# Altium PCB 400236.PcbDoc (part 5 of 5) (continued)
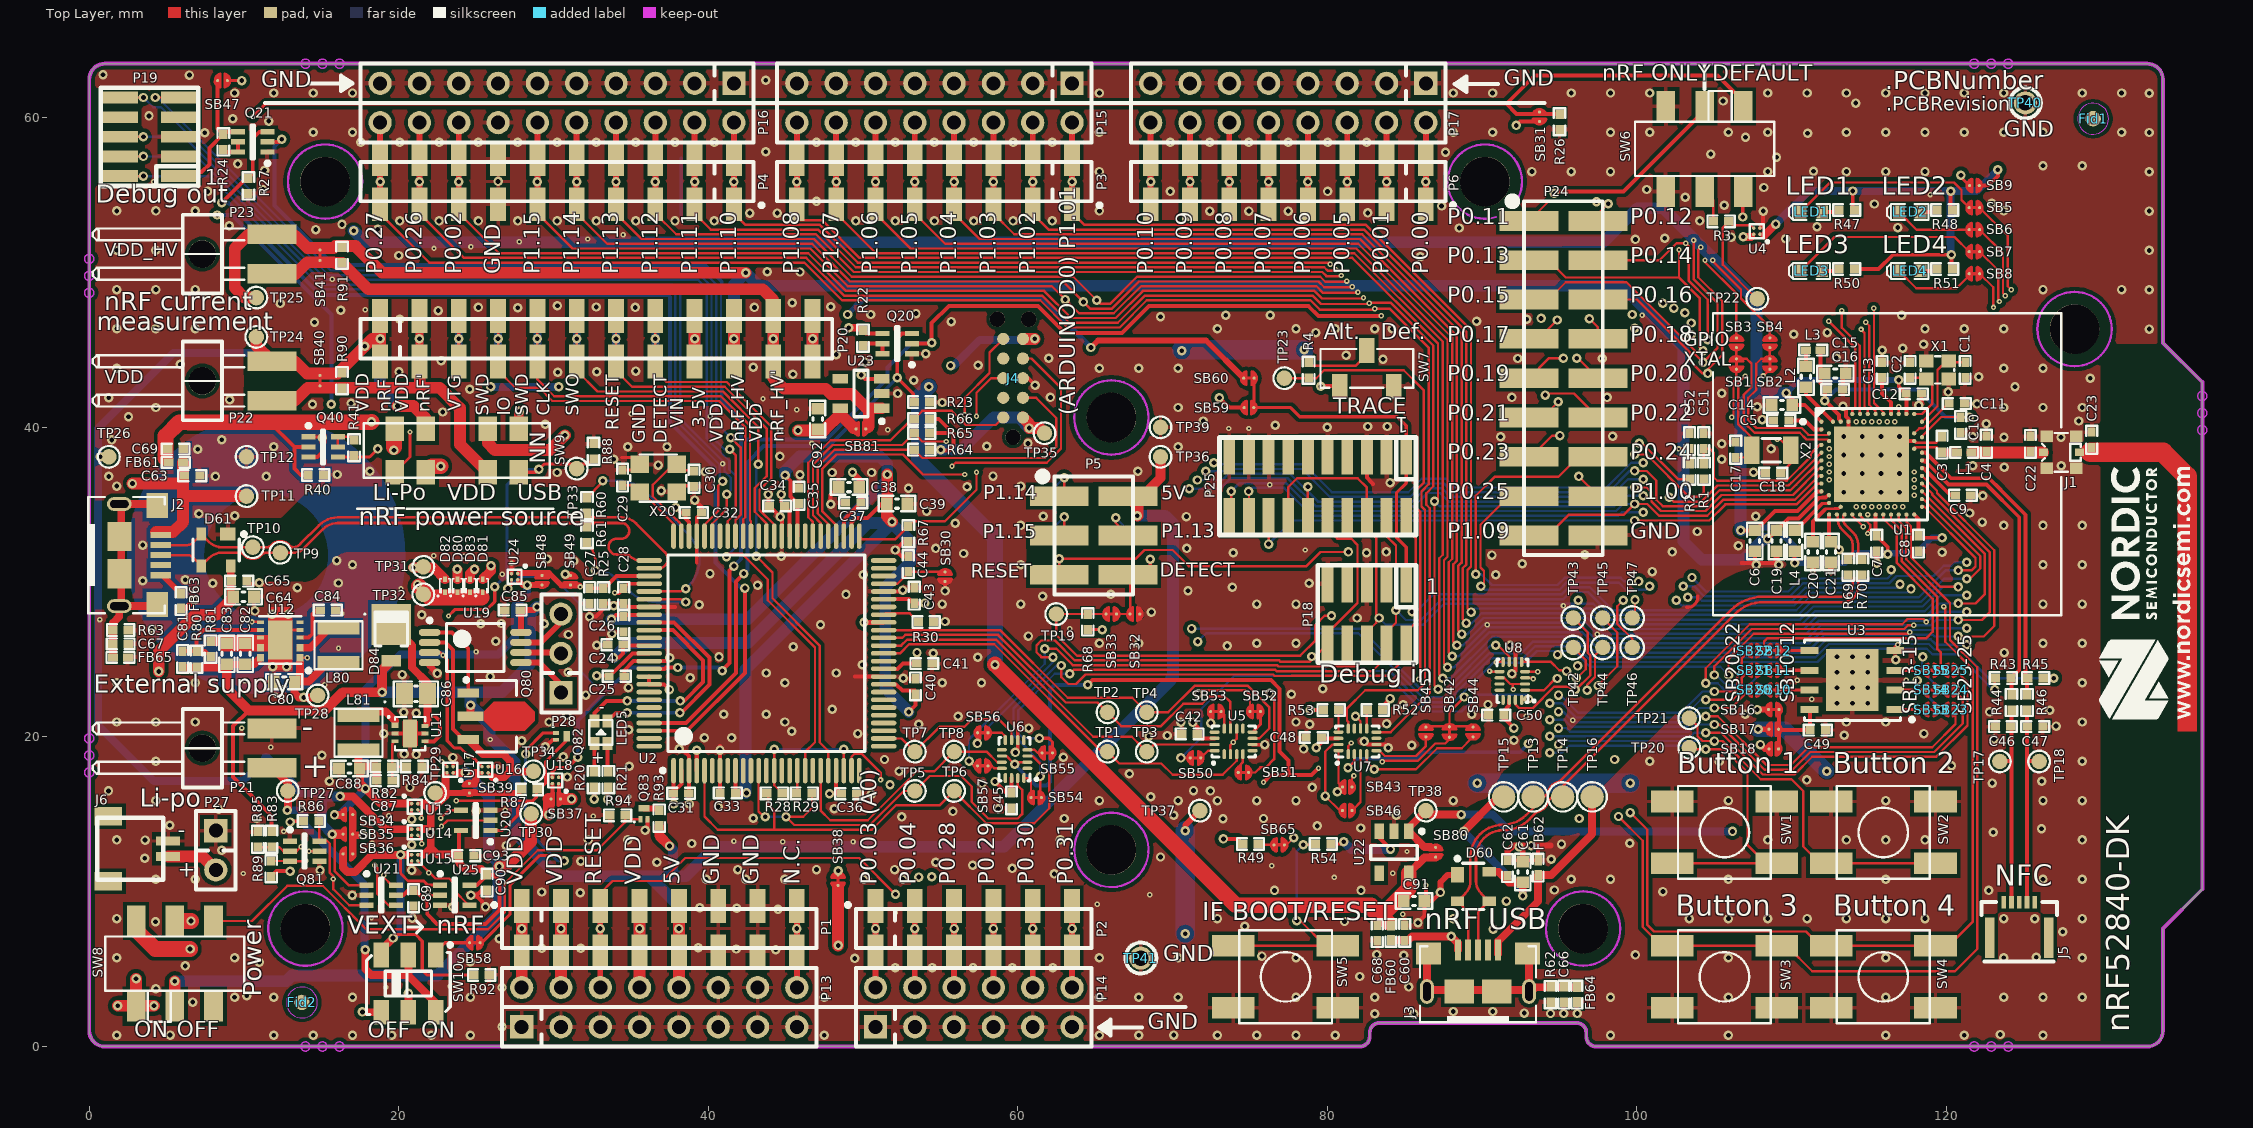
[diagram p0: Top Layer view]
## Nets (pads, with @x,y where several pads share a name; then routed paths per layer and width w, separated by ;. In a path a pad name is that pad's centre, name@x,y a point inside that pad or via, vN(x,y) a via of type N, cw(c..) or ccw(c..) an arc to the next point about the centre after c; other vN are vias at no path point) (continued)
  Mid-Layer 2 w0.254: v1(12.979,11.328) v1(12.979,14.503) 13.868,14.503 14.072,14.3 16.51,14.3 17.16,13.65 v1(17.704,13.65)
  Mid-Layer 2 w0.508: v1(17.704,13.65) 17.897,13.843 v1(22.047,13.843)
VSUPPLY_EN: Q82.3 R87.2 U17.B2 U20.1 | length 16.8
  Top Layer w0.152: v2(22.784,18.415) U17.B2@23.117,18.082 ; v2(23.724,15.875) 27.983,15.875 28.059,15.799
  Top Layer w0.203: U20.1@25.918,13.955 26.706,13.955 27.661,14.91 27.661,15.4 28.059,15.799 28.11,15.85 28.626,15.85 28.905,16.129 28.905,16.62 29.066,16.62 29.489,17.043 29.489,18.415 30.855,19.781 Q82.3@30.855,20.041
  Mid-Layer 1 w0.152: v2(22.784,18.415) 22.784,18.161 23.444,17.501 23.444,16.154 v2(23.724,15.875)
XC1: C1.1 U1.B24 X1.1 | length 5.8
  Top Layer w0.152: U1.B24@118.414,40.367 119.414,41.367 119.414,43.717 119.909,44.213 C1.1@121.203,44.213
XC2: C2.1 U1.A23 X1.3 | length 4.3
  Top Layer w0.152: C2.1@117.647,43.213 118.625,43.213 X1.3@118.7,43.138 119.089,42.749 119.089,41.538 118.418,40.867 U1.A23@117.914,40.867
XIN: C29.1 U2.75 X20.3 | length 5.1
  Top Layer w0.152: C29.1@34.458,36.254 35.162,36.254 X20.3@35.575,35.841 ; X20.3@35.575,35.838 35.694,35.838 37.754,33.778 U2.75@37.754,32.975
XOUT: C30.1 U2.74 X20.1 | length 7.5
  Top Layer w0.152: U2.74@38.254,32.975 38.254,33.729 38.1,33.884 37.955,34.029 37.934,34.029 36.414,35.549 36.414,36.287 37.746,37.619 X20.1@37.963,37.619 38.354,37.228 C30.1@39.081,37.228
pads on no net: Bat1.0 Fid1.0 Fid2.0 J2.4 J2.6@1.944,28.45 J2.6@1.944,35.05 J3.4 J3.6@86.429,3.557 J3.6@93.029,3.557 J4.0 J4.7 J4.9 J5.0 J5.1 J5.3 J5.5 J6.0 P18.7 P18.8 P19.7 P19.8 P21.0 P22.0 P23.0 P25.7 P25.8 P25.11 P25.13 SW8.1 U2.6 U2.8 U2.10 U2.11 U2.13 U2.15 U2.16 U2.19 U2.25 U2.26 U2.28 U2.29 U2.30 U2.31 U2.32 U2.33 U2.37 U2.44 U2.48 U2.49 U2.50 U2.58 U2.64 U2.69 U2.86 U2.93 U2.94 U2.95 U2.96 U2.99 U2.100 U5.1 U5.5 U5.9 U5.13 U6.1 U6.5 U6.9 U6.13 U7.7 U7.11 U8.11 U8.12 U8.13 U12.5 U22.4 U23.4
copper on no net: | length 3.6
  Bottom Layer w0.254: 38.252,53.76 38.252,57.379

## Polygon pours and split planes (outlines as drawn)
VDD on Mid-Layer 2 "Mid_Layer_2-VDD" (solid, remove dead copper, pour order 10): -3.81,-3.81 -3.81,68.58 138.43,68.58 138.43,-3.81
VDD_SAM on Mid-Layer 2 "Mid_Layer_2-VDD_SAM" (solid, pour order 8): 35.837,33.12 35.837,17.379 51.555,17.379 51.555,33.12
GND on Bottom Layer "Bottom_Layer-GND" (solid, remove dead copper, pour order 6): -3.81,-3.81 -3.81,68.58 138.43,68.58 138.43,-3.81
GND on Mid-Layer 1 "Mid_Layer_1-GND" (solid, remove dead copper, pour order 7): -3.81,-3.81 -3.81,68.58 138.43,68.58 138.43,-3.81
GND on Top Layer "Top_Layer-GND" (solid, remove dead copper, pour order 12): -3.81,-3.81 -3.81,68.58 138.43,68.58 138.43,-3.81

## Keep-outs
Top Layer:
  lines w0.152: 16.336,8.023 ccw(c13.97,7.62) 16.339,8.006 ; 68.406,13.103 ccw(c66.04,12.7) 68.409,13.086 ; 90.89,53.591 cw(c90.17,55.88) 91.893,54.209
Mid-Layer 1:
  circle w0.152: c66.04,12.7 r2.4
  circle w0.152: c90.17,55.88 r2.4
  circle w0.152: c13.97,7.62 r2.4
Mid-Layer 2:
  circle w0.152: c90.17,55.88 r2.4
  circle w0.152: c13.97,7.62 r2.4
  lines w0.152: 65.381,10.392 cw(c66.04,12.7) 66.72,10.398
Bottom Layer:
  circle w0.152: c66.04,12.7 r2.4
  circle w0.152: c90.17,55.88 r2.4
  circle w0.152: c13.97,7.62 r2.4
Keep-Out Layer:
  circle w0.152: c128.27,46.355 r2.4
  circle w0.152: c15.24,55.88 r2.4
  circle w0.152: c66.04,40.64 r2.4
  circle w0.152: c96.52,7.62 r2.4
  circle w0.1: c13.967,0 r0.3
  circle w0.1: c15.067,0 r0.3
  circle w0.1: c16.167,0 r0.3
  circle w0.1: c123.987,0 r0.3
  circle w0.1: c122.887,0 r0.3
  circle w0.1: c121.787,0 r0.3
  circle w0.1: c136.526,42.025 r0.3
  circle w0.1: c136.526,40.926 r0.3
  circle w0.1: c136.526,39.826 r0.3
  circle w0.1: c121.787,63.5 r0.3
  circle w0.1: c122.887,63.5 r0.3
  circle w0.1: c123.987,63.5 r0.3
  circle w0.1: c13.967,63.5 r0.3
  circle w0.1: c15.067,63.5 r0.3
  circle w0.1: c16.167,63.5 r0.3
  circle w0.1: c0,48.692 r0.3
  circle w0.1: c0,49.792 r0.3
  circle w0.1: c0,50.891 r0.3
  circle w0.1: c0,17.705 r0.3
  circle w0.1: c0,18.804 r0.3
  circle w0.1: c0,19.904 r0.3
  lines w0.254: 0,1.016 ccw(c1.016,1.016) 1.016,0 82.099,0 ccw(c82.099,0.635) 82.734,0.635 82.734,0.889 cw(c83.369,0.889) 83.369,1.524 96.09,1.524 cw(c96.09,0.889) 96.725,0.889 96.725,0.635 ccw(c97.36,0.635) 97.36,0 132.969,0 ccw(c132.969,1.016) 133.985,1.016 133.985,7.62 136.525,10.16 136.525,42.926 133.985,45.466 133.985,62.484 ccw(c132.969,62.484) 132.969,63.5 1.016,63.5 ccw(c1.016,62.484) 0,62.484 0,1.016

## Other copper
Top Layer:
  rectangle net ANT: 134.92,20.343 136.19,21.105
  rectangle net GND: 8.484,25.527 12.167,26.594
  rectangle net GND: 11.557,24.308 13.132,28.397
  pour cut-out: 24.34,36.179 34.579,36.18 cw(c34.58,33.644) 36.375,35.436 38.509,33.302 cw(c36.718,31.508) 39.253,31.506 39.253,31.237 cw(c37.043,31.237) 37.043,29.027 34.834,29.027 cw(c34.833,30.64) 33.693,29.5 31.579,31.613 ccw(c30.81,30.846) 30.808,31.933 24.328,31.933 cw(c135.433,33.762)
  pour cut-out: 13.807,35.551 cw(c15.316,34.043) 15.316,36.176 25.908,36.176 25.908,31.939 16.574,31.92 ccw(c16.747,30.866) 15.922,31.544 14.783,30.405 13.807,30.405
  pour cut-out: 9.86,34.155 11.774,34.155 11.938,34.155 11.938,30.013 11.169,30.013 cw(c11.169,30.94) 10.513,30.284 ccw(c10.035,29.809) 10.034,30.482 5.422,30.482 5.422,34.158 7.355,34.158 7.411,34.148 7.465,34.13 7.51,34.104 7.553,34.069 7.584,34.023 7.602,33.98 7.607,33.934 7.607,32.685 9.354,32.685 9.354,33.65 cw(c9.86,33.65)
  pour cut-out: 11.677,34.155 12.282,34.155 ccw(c12.282,34.476) 12.509,34.249 13.819,35.56 14.795,35.56 14.795,30.414 cw(c13.804,31.435) 13.782,30.013 11.677,30.013
  pour cut-out: 90.658,5.004 90.658,7.315 96.62,7.315 96.62,5.004
  pour cut-out: 91.161,32.131 91.161,33.401 89.891,33.401 89.891,32.131
  pour cut-out: 107.164,32.217 107.164,33.617 110.834,33.617 110.834,32.217
  pour cut-out: 110.664,31.367 110.664,32.867 113.164,32.867 113.164,31.367
  pour cut-out: 115.414,36.867 115.414,38.367 117.914,38.367 117.914,36.867
  pour cut-out: 117.737,33.63 116.676,34.691 118.444,36.458 119.505,35.398
  pour cut-out: 60.528,30.937 68.073,30.937 68.071,32.715 60.528,32.715
  pour cut-out: 129.92,-1.27 136.786,-1.27 136.748,45.415 129.925,45.415
  pour cut-out: -0.229,28.204 2.824,28.204 2.818,35.281 -0.228,35.281
  pour cut-out: 28.981,25.603 28.981,26.873 27.711,26.873 27.711,25.603
  pour cut-out: 118.567,26.975 117.297,26.975 117.297,25.705 118.567,25.705
  pour cut-out: 11.252,51.765 9.982,51.765 9.982,50.495 11.252,50.495
  pour cut-out: 86.385,35.687 85.115,35.687 85.115,34.417 86.385,34.417
  pour cut-out: 60.757,53.086 48.387,53.086 48.387,51.816 60.757,51.816
  pour cut-out: 107.163,43.256 107.163,44.526 105.054,44.526 105.054,43.256
  pour cut-out: 22.149,1.168 22.149,2.438 20.879,2.438 20.879,1.168
  pour cut-out: 20.447,5.715 20.447,6.985 19.177,6.985 19.177,5.715
  pour cut-out: 20.218,1.143 20.218,3.264 18.948,3.264 18.948,1.143
  pour cut-out: 11.252,43.635 9.982,43.635 9.982,42.365 11.252,42.365
  pour cut-out: 118.496,37.293 121.239,37.293 121.239,39.142 120.439,39.142 120.439,40.188 118.496,40.188
Mid-Layer 1:
  pour cut-out: 110.28,18.44 107.467,18.44 107.467,25.333 110.28,25.333
  pour cut-out: 28.315,29.007 28.315,31.318 32.137,31.318 32.137,29.007
  pour cut-out: 92.078,58.763 92.078,61.074 95.377,61.074 95.377,58.763
  pour cut-out: 48.603,38.976 48.603,41.288 50.978,41.288 50.978,38.976
  pour cut-out: 85.782,11.379 85.782,13.691 88.157,13.691 88.157,11.379
  pour cut-out: 110.28,27.254 110.28,21.336 106.28,21.336 106.28,27.254
  pour cut-out: 129.92,-1.27 136.786,-1.27 136.748,45.415 129.925,45.415
  pour cut-out: 121.71,25.984 121.71,20.066 117.71,20.066 117.71,25.984
  pour cut-out: 104.44,46.723 110.357,46.723 110.357,42.723 104.44,42.723
  pour cut-out: 15.45,11.278 15.45,16.104 17.824,16.104 17.824,11.278
  pour cut-out: 23.4,15.494 23.4,17.805 25.774,17.805 25.774,15.494
  pour cut-out: 75.724,11.938 75.724,14.249 78.098,14.249 78.098,11.938
  pour cut-out: 56.725,19.202 56.725,21.514 59.099,21.514 59.099,19.202
  pour cut-out: 56.598,17.094 56.598,19.406 58.972,19.406 58.972,17.094
  pour cut-out: 60.618,17.843 60.618,20.155 62.992,20.155 62.992,17.843
  pour cut-out: 59.969,14.973 59.969,17.285 62.344,17.285 62.344,14.973
  pour cut-out: 64.878,26.695 64.878,29.007 68.656,29.007 68.656,26.695
  pour cut-out: 120.612,48.831 120.612,57.137 122.987,57.137 122.987,48.831
  pour cut-out: 7.449,61.138 7.449,63.449 9.823,63.449 9.823,61.138
  pour cut-out: 70.263,17.45 70.263,19.761 72.637,19.761 72.637,17.45
  pour cut-out: 71.438,20.587 71.438,22.898 73.812,22.898 73.812,20.587
  pour cut-out: 74.175,20.512 74.175,22.823 76.549,22.823 76.549,20.512
  pour cut-out: 73.369,16.612 73.369,18.923 75.744,18.923 75.744,16.612
  pour cut-out: 28.448,14.884 28.448,17.196 31.747,17.196 31.747,14.884
  pour cut-out: 54.212,29.184 54.212,31.495 56.586,31.495 56.586,29.184
  pour cut-out: 80.042,13.995 80.042,18.161 82.416,18.161 82.416,13.995
  pour cut-out: 84.979,19.177 84.979,21.488 90.941,21.488 90.941,19.177
  pour cut-out: 13.678,49.898 13.678,52.21 16.053,52.21 16.053,49.898
  pour cut-out: 13.704,41.87 13.704,44.181 16.078,44.181 16.078,41.87
  pour cut-out: 47.232,9.614 47.232,11.925 49.606,11.925 49.606,9.614
  pour cut-out: 23.654,5.486 23.654,7.798 26.028,7.798 26.028,5.486
  pour cut-out: 73.641,41.986 73.641,44.298 76.016,44.298 76.016,41.986
  pour cut-out: 73.667,40.03 73.667,42.342 76.041,42.342 76.041,40.03
  pour cut-out: 131.445,36.392 119.918,36.392 119.918,40.392 131.445,40.392
Mid-Layer 2:
  pour cut-out: 129.92,-1.27 136.786,-1.27 136.748,45.415 129.925,45.415
  pour cut-out: 131.445,36.392 119.918,36.392 119.918,40.392 131.445,40.392
Bottom Layer:
  pour cut-out: 129.92,-1.27 136.786,-1.27 136.748,45.415 129.925,45.415
  pour cut-out: 35.56,27.407 34.29,27.407 34.29,26.137 35.56,26.137

## Silkscreen, mask and mechanical layers (free items; w line width, h text height)
Top Overlay:
  drawing of 82 lines, arcs and shapes, not listed
  text "nRF ONLY" at 97.765,62.052 h1.78
  text "DEFAULT" at 104.877,62.052 h1.78
  text "GND" at 91.389,61.709 h1.78
  text "GND" at 11.125,61.62 h1.78
  text ".PCBNumber" at 116.028,61.468 h2.03
  text ".PCBRevision" at 116.093,60.165 h1.52
  text "GND" at 123.698,58.42 h1.78
  text "LED1" at 109.622,54.654 h2.03
  text "LED2" at 115.82,54.654 h2.03
  text "Debug out" at 0.406,54.127 h2.03
  text "P0.11" at 87.757,52.781 h1.78
  text "P0.12" at 99.568,52.781 h1.78
  text "LED3" at 109.495,50.869 h2.03
  text "LED4" at 115.845,50.869 h2.03
  text "VDD_HV" at 1.016,50.775 h1.4
  text "P0.13" at 87.757,50.241 h1.78
  text "P0.14" at 99.568,50.241 h1.78
  text "P0.27" at 19.304,49.886 h1.78 r90
  text "P0.26" at 21.844,49.886 h1.78 r90
  text "P0.02" at 24.384,49.886 h1.78 r90
  text "GND" at 26.924,49.886 h1.78 r90
  text "P1.15" at 29.464,49.886 h1.78 r90
  text "P1.14" at 32.004,49.886 h1.78 r90
  text "P1.13" at 34.544,49.886 h1.78 r90
  text "P1.12" at 37.084,49.886 h1.78 r90
  text "P1.11" at 39.624,49.886 h1.78 r90
  text "P1.10" at 42.164,49.886 h1.78 r90
  text "P1.08" at 46.228,49.886 h1.78 r90
  text "P1.07" at 48.768,49.886 h1.78 r90
  text "P1.06" at 51.308,49.886 h1.78 r90
  text "P1.05" at 53.848,49.886 h1.78 r90
  text "P1.04" at 56.388,49.886 h1.78 r90
  text "P1.03" at 58.928,49.886 h1.78 r90
  text "P1.02" at 61.468,49.886 h1.78 r90
  text "P0.10" at 69.088,49.886 h1.78 r90
  text "P0.09" at 71.628,49.886 h1.78 r90
  text "P0.08" at 74.168,49.886 h1.78 r90
  text "P0.07" at 76.708,49.886 h1.78 r90
  text "P0.06" at 79.248,49.886 h1.78 r90
  text "P0.05" at 81.788,49.886 h1.78 r90
  text "P0.01" at 84.328,49.886 h1.78 r90
  text "P0.00" at 86.868,49.886 h1.78 r90
  text "P0.15" at 87.757,47.701 h1.78
  text "P0.16" at 99.568,47.701 h1.78
  text "nRF current" at 0.965,47.193 h2.03
  text "measurement" at 0.483,45.898 h2.03
  text "Alt." at 79.756,45.339 h1.78
  text "Def." at 83.439,45.339 h1.78
  text "P0.17" at 87.757,45.161 h1.78
  text "P0.18" at 99.568,45.161 h1.78
  text "GPIO" at 102.997,44.958 h1.52
  text "XTAL" at 102.997,43.688 h1.52
  text "P0.19" at 87.757,42.621 h1.78
  text "P0.20" at 99.568,42.621 h1.78
  text "VDD" at 1.016,42.57 h1.4
  text "VTG" at 24.308,41.056 h1.4 r90
  text "VDD / nRF" at 19.761,40.98 h1.4 r90
  text "VDD / nRF'" at 22.301,40.98 h1.4 r90
  text "(ARDUINO D0) P1.01" at 64.059,40.777 h1.78 r90
  text "SWD / IO" at 27.508,40.752 h1.4 r90
  text "SWD / CLK" at 30.048,40.752 h1.4 r90
  text "SWO" at 31.928,40.74 h1.4 r90
  text "TRACE" at 80.391,40.513 h1.78
  text "P0.21" at 87.757,40.081 h1.78
  text "P0.22" at 99.568,40.081 h1.78
  text "VIN / 3-5V" at 40.081,39.993 h1.4 r90
  text "RESET" at 34.519,39.811 h1.4 r90
  text "VDD / nRF_HV" at 42.621,39.028 h1.4 r90
  text "VDD / nRF_HV'" at 45.161,39.028 h1.4 r90
  text "GND / DETECT" at 37.617,38.963 h1.4 r90
  text "P0.23" at 87.757,37.541 h1.78
  text "P0.24" at 99.568,37.541 h1.78
  text "P1.14" at 57.767,35.082 h1.52
  text "5V" at 69.248,35.031 h1.52
  text "P0.25" at 87.757,35.001 h1.78
  text "P1.00" at 99.568,35.001 h1.78
  text "Li-Po   VDD   USB" at 18.313,34.95 h1.78
  text "nRF power source" at 17.424,33.299 h2.03
  text "P1.13" at 69.248,32.567 h1.52
  text "P1.15" at 57.717,32.542 h1.52
  text "P1.09" at 87.757,32.461 h1.78
  text "GND" at 99.568,32.461 h1.78
  text "DETECT" at 69.16,30.074 h1.52
  text "RESET" at 56.955,30.002 h1.52
  text "Debug in" at 79.477,23.12 h2.03
  text "External supply" at 0.279,22.454 h2.03
  text "SB20-22" at 106.934,22.225 h1.52 r90
  text "SB10-12" at 110.465,22.225 h1.52 r90
  text "SB13-15" at 118.364,21.463 h1.52 r90
  text "SB23-25" at 121.92,21.463 h1.52 r90
  text "-" at 13.741,19.939 h1.52
  text "+" at 13.741,17.399 h1.52
  text "Button 1" at 102.594,17.19 h2.29
  text "Button 2" at 112.641,17.19 h2.29
  text "Li-po" at 3.251,15.088 h2.03
  text "-" at 5.715,13.513 h1.02
  text "+" at 5.715,10.973 h1.02
  text "N.C." at 46.253,10.465 h1.78 r90
  text "VDD" at 28.365,10.462 h1.78 r90
  text "VDD" at 30.905,10.462 h1.78 r90
  text "RESET" at 33.445,10.462 h1.78 r90
  text "VDD" at 35.985,10.462 h1.78 r90
  text "5V" at 38.525,10.462 h1.78 r90
  text "GND" at 41.065,10.462 h1.78 r90
  text "GND" at 43.605,10.462 h1.78 r90
  text "P0.03 (A0)" at 51.225,10.462 h1.78 r90
  text "P0.04" at 53.765,10.462 h1.78 r90
  text "P0.28" at 56.305,10.462 h1.78 r90
  text "P0.29" at 58.845,10.462 h1.78 r90
  text "P0.30" at 61.385,10.462 h1.78 r90
  text "P0.31" at 63.925,10.462 h1.78 r90
  text "NFC" at 123.123,9.926 h2.29
  text "Button 4" at 112.691,8.011 h2.29
  text "Button 3" at 102.518,8 h2.29
  text "IF BOOT/RESET" at 71.907,7.785 h2.03
  text "nRF USB" at 86.298,7.131 h2.29
  text "VEXT   nRF" at 16.662,6.909 h2.03
  text "GND" at 69.393,5.156 h1.78
  text "Power" at 11.506,3.2 h2.03 r90
  text "nRF52840-DK" at 132.283,0.914 h2.54 r90
  text "GND" at 68.402,0.761 h1.78
  text "ON" at 2.911,0.229 h1.78
  text "OFF" at 5.655,0.229 h1.78
  text "OFF" at 18.009,0.203 h1.78
  text "ON" at 21.438,0.203 h1.78
Bottom Overlay:
  drawing of 1284 lines, arcs and shapes, not listed
  text "J-Link" at 117.897,62.424 h1.45 r90
  text "www.segger.com" at 119.047,62.343 h1.68 r90
  text "Pb" at 6.415,60.623 h3.05 r90
  text "TM" at 117.475,58.954 h0.94 r90
  text "S" at 116.037,58.741 h1.35 r90
  text "E" at 116.037,57.851 h1.35 r90
  text "Technology" at 117.897,57.672 h1.45 r90
  text "G" at 116.037,57.067 h1.35 r90
  text "G" at 116.037,56.077 h1.35 r90
  text "E" at 116.037,55.053 h1.35 r90
  text "R" at 116.037,54.217 h1.35 r90
  text "P0.27" at 19.303,53.111 h1.65 r90
  text "P0.26" at 21.843,53.111 h1.65 r90
  text "P0.02" at 24.383,53.111 h1.65 r90
  text "GND" at 26.924,53.111 h1.65 r90
  text "P1.15" at 29.463,53.111 h1.65 r90
  text "P1.14" at 32.003,53.111 h1.65 r90
  text "P1.13" at 34.543,53.111 h1.65 r90
  text "P1.12" at 37.083,53.111 h1.65 r90
  text "P1.11" at 39.623,53.111 h1.65 r90
  text "P1.10" at 42.163,53.111 h1.65 r90
  text "P1.08" at 46.227,53.111 h1.65 r90
  text "P1.07 (D6)" at 48.768,53.111 h1.65 r90
  text "P1.06 (D5)" at 51.308,53.111 h1.65 r90
  text "P1.05 (D4)" at 53.848,53.111 h1.65 r90
  text "P1.04 (D3)" at 56.388,53.111 h1.65 r90
  text "P1.03 (D2)" at 58.928,53.111 h1.65 r90
  text "P1.02 (D1)" at 61.468,53.111 h1.65 r90
  text "P1.01 (ARDUINO D0)" at 64.008,53.111 h1.65 r90
  text "P0.10" at 69.088,53.111 h1.78 r90
  text "P0.09" at 71.628,53.111 h1.78 r90
  text "P0.08" at 74.168,53.111 h1.78 r90
  text "P0.07" at 76.708,53.111 h1.78 r90
  text "P0.06" at 79.248,53.111 h1.78 r90
  text "P0.05" at 81.788,53.111 h1.78 r90
  text "P0.01" at 84.328,53.111 h1.78 r90
  text "P0.00" at 86.843,53.111 h1.78 r90
  text "(SCL)" at 20.421,52.07 h1.65 r90
  text "(SDA)" at 22.961,52.07 h1.65 r90
  text "(AREF)" at 25.501,52.07 h1.65 r90
  text "(D13)" at 30.581,52.07 h1.65 r90
  text "(D12)" at 33.121,52.07 h1.65 r90
  text "(D11)" at 35.661,52.07 h1.65 r90
  text "(D10)" at 38.201,52.07 h1.65 r90
  text "(D9)" at 40.741,52.07 h1.65 r90
  text "(D8)" at 43.281,52.07 h1.65 r90
  text "(D7)" at 47.345,52.07 h1.65 r90
  text "GPIO" at 76.911,48.701 h1.99 r90
  text "P0.00" at 80.747,48.641 h1.91 r90
  text "P0.01" at 86.131,48.641 h1.91 r90
  text "P0.11" at 90.17,48.641 h1.91 r90
  text "P0.12" at 92.862,48.641 h1.91 r90
  text "P0.24" at 95.555,48.641 h1.91 r90
  text "P0.25" at 98.247,48.641 h1.91 r90
  text "P0.13" at 100.94,48.641 h1.91 r90
  text "P0.14" at 103.632,48.641 h1.91 r90
  text "P0.15" at 106.324,48.641 h1.91 r90
  text "P0.16" at 109.017,48.641 h1.91 r90
  text "P0.17" at 111.709,48.641 h1.91 r90
  text "P0.19" at 114.402,48.641 h1.91 r90
  text "P0.20" at 117.094,48.641 h1.91 r90
  text "P0.21" at 119.786,48.641 h1.91 r90
  text "P0.22" at 122.479,48.641 h1.91 r90
  text "P0.23" at 125.171,48.641 h1.91 r90
  text "Function" at 76.911,43.231 h1.99 r90
  text "Button 4" at 98.247,42.965 h1.91 r90
  text "Button 2" at 92.862,42.942 h1.91 r90
  text "Button 3" at 95.555,42.949 h1.91 r90
  text "Button 1" at 90.17,42.846 h1.91 r90
  text "LED 4" at 109.017,41.922 h1.91 r90
  text "LED 2" at 103.632,41.899 h1.91 r90
  text "LED 3" at 106.324,41.905 h1.91 r90
  text "GPIO" at 27.33,41.805 h1.99 r90
  text "P0.05" at 29.82,41.783 h1.91 r90
  text "P0.06" at 32.512,41.783 h1.91 r90
  text "P0.07" at 35.204,41.783 h1.91 r90
  text "P0.08" at 37.897,41.783 h1.91 r90
  text "P0.18" at 40.589,41.783 h1.91 r90
  text "P1.00" at 43.282,41.783 h1.91 r90
  text "P0.09" at 52.222,41.783 h1.91 r90
  text "P0.10" at 56.794,41.783 h1.91 r90
  text "LED 1" at 100.94,41.803 h1.91 r90
  text "DIO3" at 125.171,41.482 h1.91 r90
  text "DIO0" at 117.094,41.476 h1.91 r90
  text "DIO2" at 122.479,41.476 h1.91 r90
  text "DIO1" at 119.786,41.38 h1.91 r90
  text "CLK" at 114.402,41.301 h1.91 r90
  text "XL2" at 86.131,41.111 h1.91 r90
  text "XL1" at 80.747,41.015 h1.91 r90
  text "CS" at 111.709,40.693 h1.91 r90
  text "SWDCLK" at 48.666,39.218 h1.91 r90
  text "SWDIO" at 45.974,38.329 h1.91 r90
  text "Function" at 27.33,36.335 h1.99 r90
  text "RESET" at 40.564,35.457 h1.91 r90
  text "SB13/23" at 111.709,35.23 h1.91 r90
  text "SB11/21" at 114.402,35.23 h1.91 r90
  text "SB12/22" at 117.094,35.23 h1.91 r90
  text "SB14/24" at 119.786,35.23 h1.91 r90
  text "SB15/25" at 122.479,35.23 h1.91 r90
  text "SB10/20" at 125.171,35.23 h1.91 r90
  text "NFC2" at 56.82,34.816 h1.91 r90
  text "NFC1" at 52.248,34.72 h1.91 r90
  text "SB2" at 79.4,34.671 h1.91 r90
  text "SB4" at 82.093,34.671 h1.91 r90
  text "SB1" at 84.785,34.671 h1.91 r90
  text "SB3" at 87.478,34.671 h1.91 r90
  text "SB5" at 100.94,34.671 h1.91 r90
  text "SB6" at 103.632,34.671 h1.91 r90
  text "SB7" at 106.324,34.671 h1.91 r90
  text "SB8" at 109.017,34.671 h1.91 r90
  text "SWO" at 43.282,34.667 h1.91 r90
  text "RXD" at 37.897,34.39 h1.91 r90
  text "TXD" at 32.512,34.338 h1.91 r90
  text "CTS" at 35.204,34.318 h1.91 r90
  text "RTS" at 29.82,34.296 h1.91 r90
  text "Short" at 76.911,34.155 h1.99 r90
  text "HW" at 27.73,28.448 h1.99 r90
  text "IF / MCU" at 43.409,28.067 h1.78 r90
  text "GPIO" at 85.083,27.927 h1.78 r90
  text "GPIO" at 120.015,27.927 h1.78 r90
  text "GPIO" at 34.773,27.813 h1.78 r90
  text "GPIO" at 57.93,26.381 h1.78 r90
  text "HW" at 76.911,25.519 h1.99 r90
  text "N.C" at 54.864,25.273 h1.27 r90
  text "SB2x" at 115.443,25.057 h1.27 r90
  text "SB1x" at 117.729,25.057 h1.27 r90
  text "PIN" at 50.883,24.171 h1.78 r90
  text "MEM" at 120.015,23.253 h1.78 r90
  text "VDD" at 101.803,23.126 h1.78 r90
  text "PIN" at 80.574,22.364 h1.78 r90
  text "PIN" at 115.57,22.364 h1.78 r90
  text "0R" at 57.658,22.225 h1.27 r90
  text "IF OFF" at 38.735,21.209 h1.78 r90
  text "NFC" at 53.957,21.224 h1.78 r90
  text "Button 2" at 109.017,18.158 h1.91 r90
  text "Button 1" at 106.324,18.061 h1.91 r90
  text "Funct." at 103.835,17.355 h1.99 r90
  text "Function" at 116.916,17.284 h1.78 r90
  text "Default" at 124.714,17.183 h1.78 r90
  text "CTS" at 111.709,16.429 h1.91 r90
  text "P0.03 (A0)" at 51.181,16.012 h1.65 r90
  text "P0.04 (A1)" at 53.721,16.002 h1.65 r90
  text "P0.28 (A2)" at 56.261,16.002 h1.65 r90
  text "P0.29 (A3)" at 58.801,16.002 h1.65 r90
  text "P0.31 (A5)" at 63.881,16.019 h1.65 r90
  text "P0.30 (A4)" at 61.335,15.985 h1.65 r90
  text "RESET" at 33.522,14.272 h1.65 r90
  text "GND" at 43.605,13.103 h1.65 r90
  text "GND" at 41.142,12.95 h1.65 r90
  text "N.C." at 46.272,12.95 h1.78 r90
  text "VDD" at 28.448,12.87 h1.65 r90
  text "VDD" at 30.988,12.87 h1.65 r90
  text "VDD" at 36.068,12.87 h1.65 r90
  text "5V" at 38.633,11.828 h1.65 r90
  text "HW" at 114.249,11.676 h1.99 r90
  text "P0.11" at 106.324,10.579 h1.91 r90
  text "P0.12" at 109.017,10.579 h1.91 r90
  text "P0.07" at 111.709,10.579 h1.91 r90
  text "Def." at 103.835,9.957 h1.99 r90
  text "Alternative" at 124.46,9.055 h1.78 r90
  text "TRACE / SW" at 121.234,8.648 h1.78 r90
  text "P1.07" at 106.324,5.626 h1.91 r90
  text "P1.08" at 109.017,5.626 h1.91 r90
  text "P0.04" at 111.709,5.626 h1.91 r90
  text "Alt." at 103.835,4.691 h1.99 r90
Mechanical 1:
  the board outline again, w0.254
Mechanical 4:
  lines w0.165: 8.551,31.901 9.728,31.901 cw(c9.728,31.592) 9.947,31.811 10.031,31.727 ccw(c10.566,32.263) 10.566,31.505 ccw(c10.566,32.259) 11.1,31.726 11.184,31.81 cw(c11.405,31.589) 11.405,31.901 13.147,31.901 ccw(c13.147,32.944) 13.884,32.207 15.112,33.435 ; 8.552,32.259 11.506,32.259 ccw(c11.506,32.571) 11.727,32.35 11.811,32.434 cw(c12.344,31.901) 12.344,32.655 cw(c12.344,31.897) 12.88,32.433 12.964,32.349 ccw(c13.183,32.568) 13.183,32.259 ; 13.153,32.259 ccw(c13.153,32.935) 13.631,32.457 14.84,33.666 ; 14.837,33.669 cw(c16.073,32.433) 16.073,34.181 ; 15.102,33.425 cw(c16.063,32.464) 16.063,33.823 34.407,33.823 ; 16.063,34.181 34.407,34.181 ; 89.242,10.697 89.242,12.23 cw(c91.338,12.23) 91.338,14.326 ccw(c91.338,16.411) 92.813,14.936 94.183,16.307 ; 89.6,10.697 89.6,12.232 cw(c91.338,12.232) 91.338,13.97 ccw(c91.338,16.418) 93.069,14.687 93.522,15.139 ccw(c93.294,16.129) 94.284,15.901 ; 94.204,16.333 cw(c95.199,16.129) 94.995,17.124 ; 94.284,15.902 106.34,27.958 cw(c108.136,26.162) 108.136,28.702 113.295,28.702 ; 94.998,17.121 106.088,28.211 cw(c108.136,26.162) 108.136,29.06 113.295,29.06 ccw(c113.295,29.693) 113.928,29.693 113.928,30.023 ; 112.977,34.061 ccw(c113.89,34.061) 113.244,33.415 113.741,32.918 cw(c113.29,32.467) 113.928,32.467 113.928,32.004 ; 112.982,34.061 112.982,34.299 ; 113.295,28.702 ccw(c113.295,29.693) 114.286,29.693 114.286,30.023 ; 113.335,34.289 113.335,34.061 ccw(c113.89,34.061) 113.498,33.669 113.994,33.172 cw(c113.29,32.467) 114.286,32.467 114.286,32.004
  lines w0.762: 121.681,38.379 126.25,38.379
  text "50ohm impedance" at 115.824,39.37 h1.02
  text "90ohm differensial impedance" at 7.417,35.382 h1.02
  text "90ohm differensial impedance" at 90.119,14.402 h1.02 r45
Mechanical 7:
  drawing of 47 lines, arcs and shapes, not listed
Mechanical 8:
  drawing of 47 lines, arcs and shapes, not listed
Mechanical 24:
  lines w0.165: 8.551,31.901 9.728,31.901 cw(c9.728,31.592) 9.947,31.811 10.031,31.727 ccw(c10.566,32.263) 10.566,31.505 ccw(c10.566,32.259) 11.1,31.726 11.184,31.81 cw(c11.405,31.589) 11.405,31.901 13.147,31.901 ccw(c13.147,32.944) 13.884,32.207 15.112,33.435 ; 8.552,32.259 11.506,32.259 ccw(c11.506,32.571) 11.727,32.35 11.811,32.434 cw(c12.344,31.901) 12.344,32.655 cw(c12.344,31.897) 12.88,32.433 12.964,32.349 ccw(c13.183,32.568) 13.183,32.259 ; 13.153,32.259 ccw(c13.153,32.935) 13.631,32.457 14.84,33.666 ; 14.837,33.669 cw(c16.073,32.433) 16.073,34.181 ; 15.102,33.425 cw(c16.063,32.464) 16.063,33.823 34.407,33.823 ; 16.063,34.181 34.407,34.181 ; 89.242,10.697 89.242,12.23 cw(c91.338,12.23) 91.338,14.326 ccw(c91.338,16.411) 92.813,14.936 94.183,16.307 ; 89.6,10.697 89.6,12.232 cw(c91.338,12.232) 91.338,13.97 ccw(c91.338,16.418) 93.069,14.687 93.522,15.139 ccw(c93.294,16.129) 94.284,15.901 ; 94.204,16.333 cw(c95.199,16.129) 94.995,17.124 ; 94.284,15.902 106.34,27.958 cw(c108.136,26.162) 108.136,28.702 113.295,28.702 ; 94.998,17.121 106.088,28.211 cw(c108.136,26.162) 108.136,29.06 113.295,29.06 ccw(c113.295,29.693) 113.928,29.693 113.928,30.023 ; 112.977,34.061 ccw(c113.89,34.061) 113.244,33.415 113.741,32.918 cw(c113.29,32.467) 113.928,32.467 113.928,32.004 ; 112.982,34.061 112.982,34.299 ; 113.295,28.702 ccw(c113.295,29.693) 114.286,29.693 114.286,30.023 ; 113.335,34.289 113.335,34.061 ccw(c113.89,34.061) 113.498,33.669 113.994,33.172 cw(c113.29,32.467) 114.286,32.467 114.286,32.004
  lines w0.762: 121.681,38.379 126.25,38.379
  text "50ohm impedance" at 115.824,39.37 h1.02
  text "90ohm differensial impedance" at 7.417,35.382 h1.02
  text "90ohm differensial impedance" at 90.119,14.402 h1.02 r45

## Dimensions
132.969,62.484 to 136.175,65.69 on Mechanical 3
0,1.016 to 90.17,55.88 on Mechanical 3
0,1.016 to 133.985,1.016 on Mechanical 3
0,1.016 to 136.525,10.16 on Mechanical 3
0,1.016 to 13.97,7.62 on Mechanical 3
0,1.016 to 15.24,55.88 on Mechanical 3
0,1.016 to 66.04,12.7 on Mechanical 3
0,1.016 to 96.52,7.62 on Mechanical 3
132.969,0 to 132.969,63.5 on Mechanical 3
132.969,0 to 96.52,7.62 on Mechanical 3
132.969,0 to 66.04,12.7 on Mechanical 3
132.969,0 to 66.04,40.64 on Mechanical 3
132.969,0 to 15.24,55.88 on Mechanical 3
132.969,0 to 128.27,46.355 on Mechanical 3
0,1.016 to 128.27,46.355 on Mechanical 3

## Text inside footprints (layer, text, board x,y; h text height)
LED5: Top Overlay "+" at 33.315,18.99 h0.76 r180; Top Overlay "-" at 33.315,22.14 h0.76 r180
P18: Top Overlay "1" at 86.36,29.21 h1.02
P19: Top Overlay "1" at 7.468,55.677 h1.02
P25: Top Overlay "1" at 85.25,40.645 h1.02 r180
SW9: Top Overlay "NN" at 29.449,37.656 h1.02 r90